# EAGLE board Mk4 Final Panel (EAGLE 9.0.1), part 4 of 18
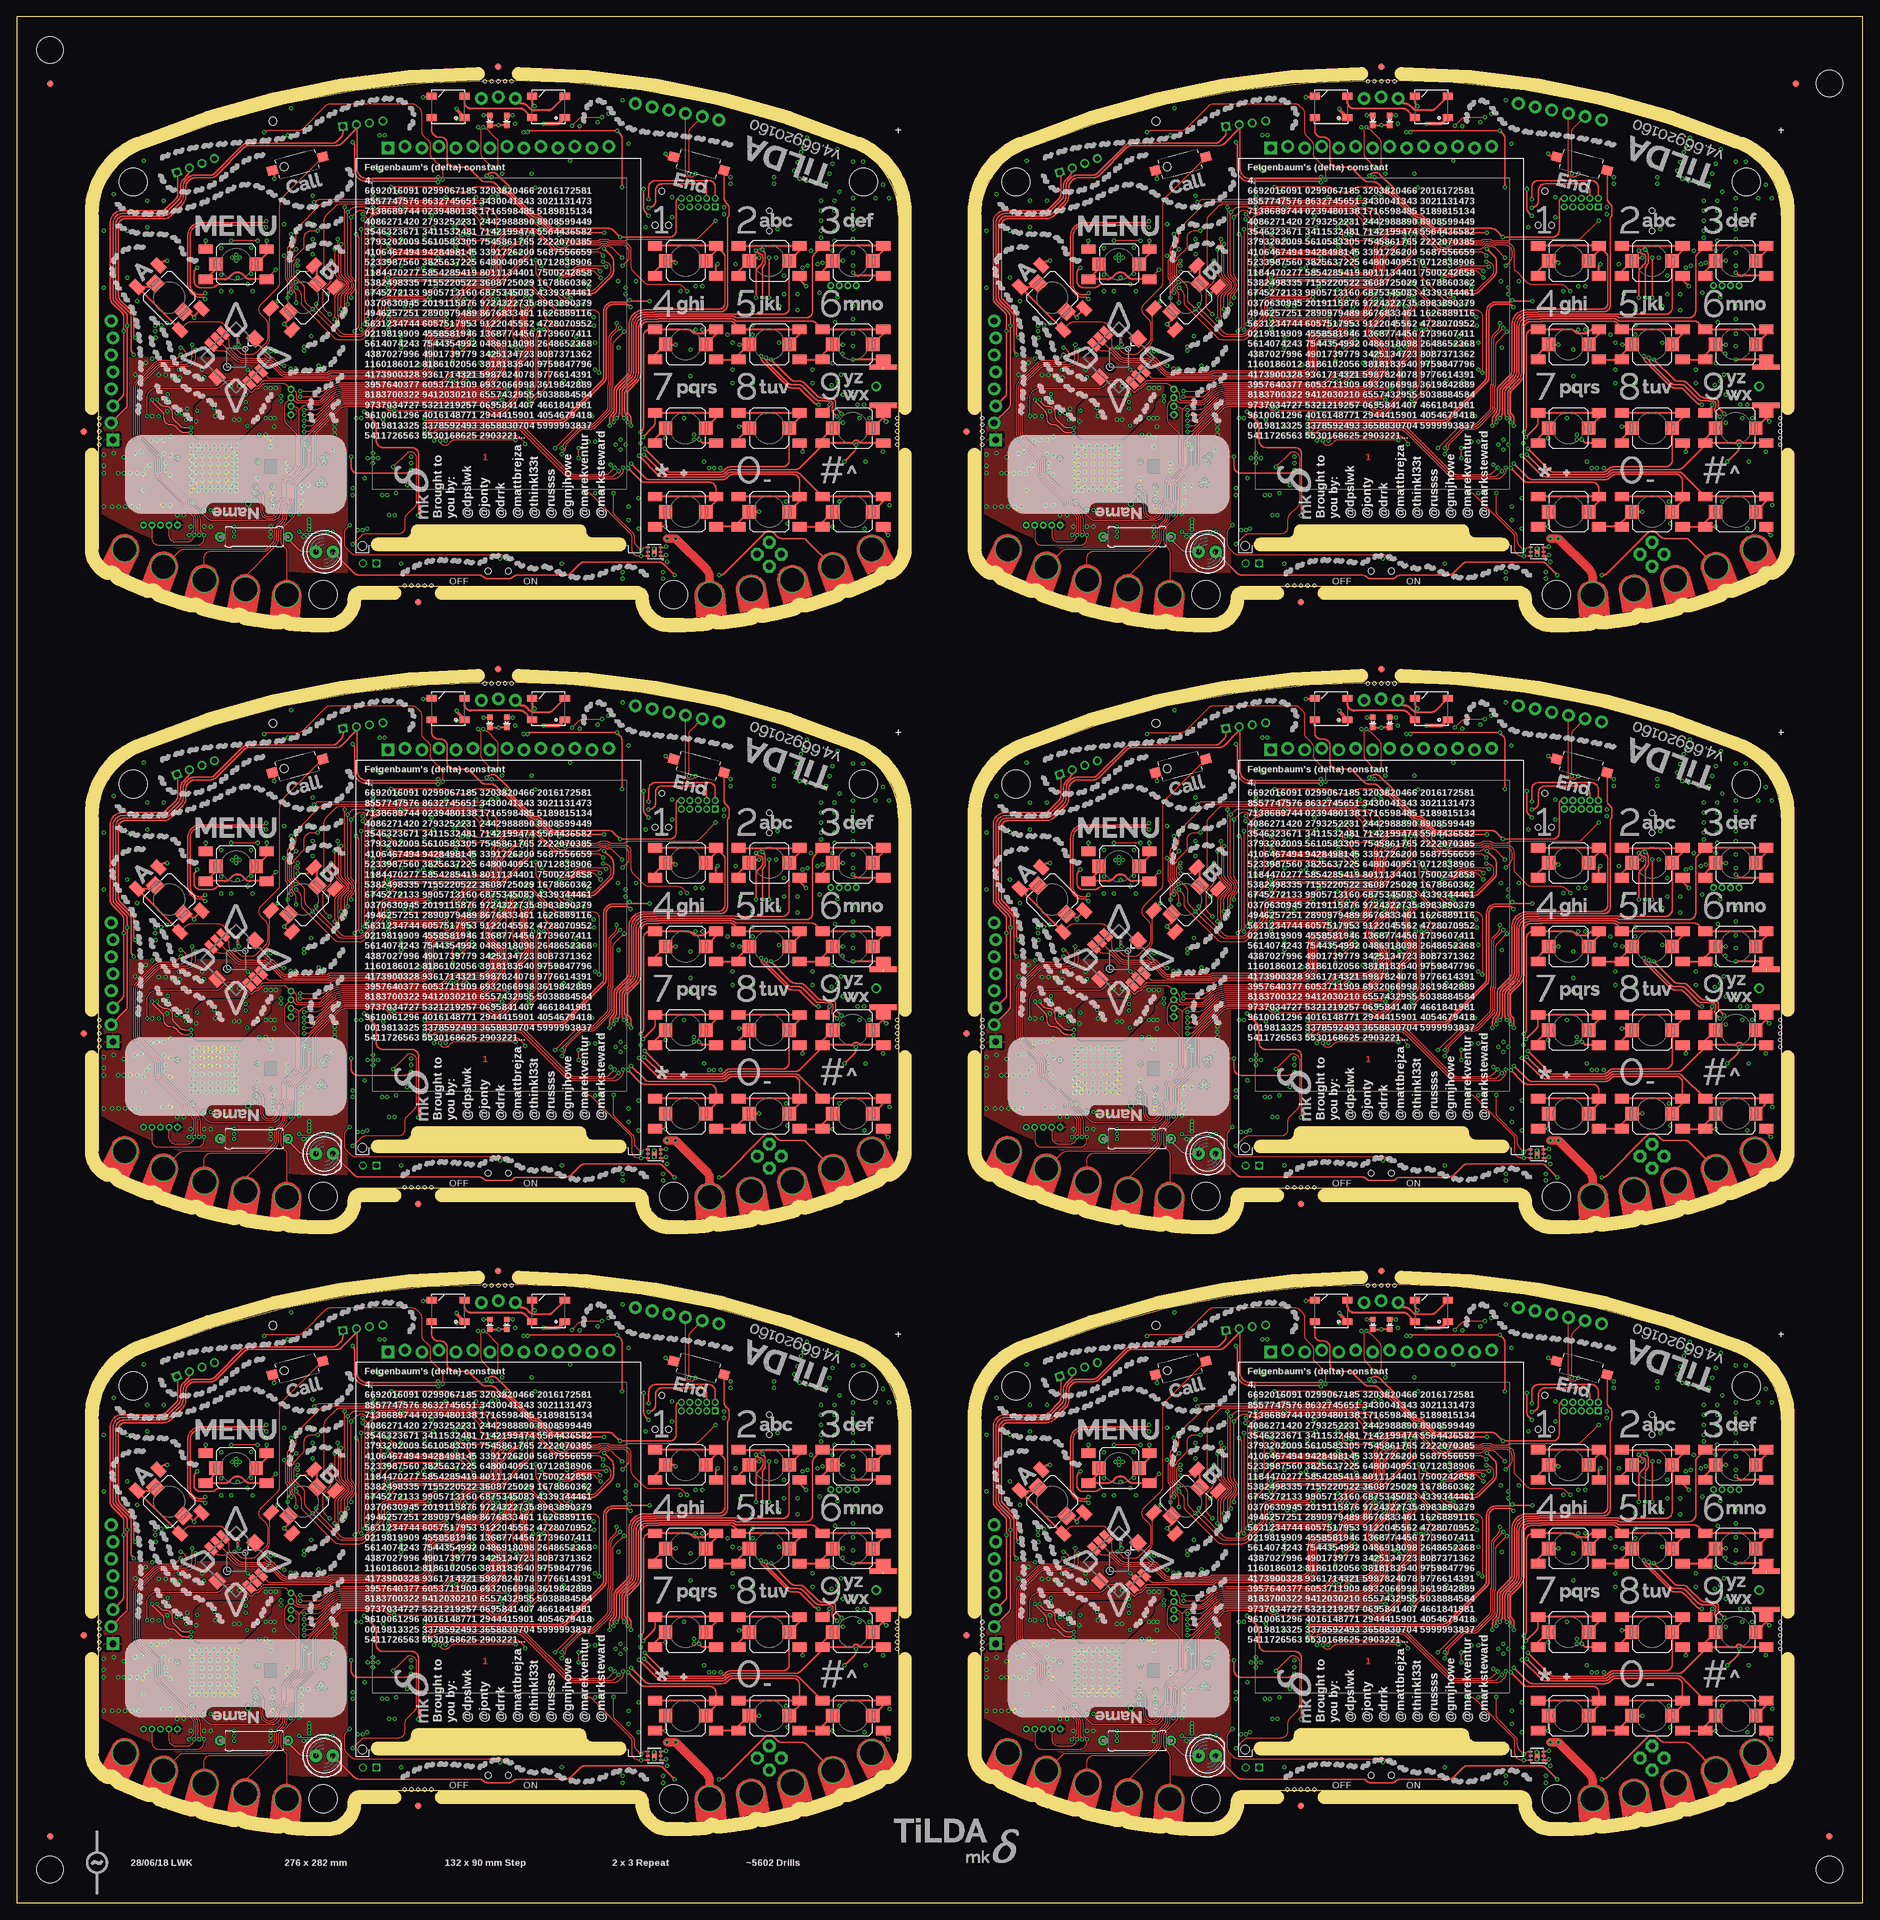
[diagram p0: board, top side]
## Nets (continued)
GND1: ANT3.2 ANT3.3 ANT3.4 ANT4.2 ANT4.3 ANT4.4 C109.1 C110.1 C111.2 C112.1 C113.1 C114.1 C115.1 C116.1 C117.1 C118.1 C119.1 C120.1 C121.1 C122.1 C123.1 C124.1 C125.1 C126.1 C127.1 C128.1 C129.1 C130.1 C131.1 C132.1 C133.1 C134.1 C135.1 C136.1 C137.1 C138.1 C139.- C140.1 C141.1 C142.- C143.2 C144.2 C145.2 C146.2 C147.2 C148.2 C149.1 C151.2 C152.2 C153.1 C154.1 C155.1 C156.1 C157.1 C158.1 C160.2 C161.2 C162.2 C164.2 C166.2 C167.2 C168.2 C170.2 C171.1 C172.1 C173.1 C174.1 C175.1 C176.1 C177.1 C178.1 C179.1 C185.2 C186.1 C187.1 C188.2 C189.2 C190.2 C191.2 C192.2 C193.2 C194.2 C195.2 C196.2 C197.2 C198.2 C199.2 C200.2 C201.2 C202.2 C203.2 C204.2 C205.2 C206.1 C207.1 C208.1 C209.1 C210.2 C212.2 C214.2 C215.2 C216.2 D3.A D4.2 FL2.GND@2 FL2.GND@4 IC19.6 IC19.12 IC19.28 IC19.41 IC19.46 IC19.52 IC19.54 IC20.10 IC20.17 IC20.48 IC20.55 IC20.58 IC20.80 IC20.114 IC21.8 IC21.13 IC21.19 IC21.21 IC21.27 IC21.30 IC21.31 IC21.33 IC21.36 IC21.37 IC22.4 IC23.3 IC24.17 IC24.18 IC24.25 IC25.3 IC26.4 IC27.7 IC28.7 IC28.PAD IC29.PAD IC30.4 IC31.9 IC31.18 IC31.23 IC31.24 IC31.25 IC32.2 IC32.4 IC33.3 IC33.5 IC34.2 IC34.3 IC34.PAD IC35.2 IC35.3 IC36.3 J6.6 J6.11 J6.12 J6.13 J6.14 J6.15 J6.16 J6.17 J6.18 J6.19 J6.20 J6.21 J6.22 J6.23 J6.24 J6.25 J6.26 J6.27 J6.28 J6.29 J6.30 J6.31 J6.32 J6.43 J6.48 J6.49 J6.50 J12.1 J13.3 J13.5 J13.9 J14.C4 J14.C5 J14.GND1 J14.GND2 J14.GND3 J14.GND4 J14.GND5 J14.GND6 J16.4 J16.8 J16.SS1 J16.SS2 J17.4 J18.4 J18.8 J18.SS1 J18.SS2 J19.G@1 J19.G@2 J19.G@3 J19.G@4 J20.1 JP10.5 JP11.1 JP12.1 JP12.2 JP12.4 JP13.1 JP14.1 JP15.1 JP16.1 JP17.1 JP18.1 LED7.3 LED8.3 LED9.C LED10.C PCB1.GND Q4.4 Q4.EP2 Q5.2 Q6.2 R87.2 R91.2 R97.1 R99.2 R101.2 R107.2 R112.2 R114.2 R121.2 R122.2 R129.2 R133.1 R137.2 R139.2 R140.2 R141.2 R142.2 R143.2 R148.2 R149.2 R150.2 R155.2 S21.1 S21.A1 S21.A2 S23.1 S23.A1 S23.A2 S24.1 S24.A1 S24.A2 S25.1 S25.A1 S25.A2 S26.1 S26.A1 S26.A2 S27.1 S27.A1 S27.A2 S28.1 S28.A1 S28.A2 S29.1 S29.A1 S29.A2 S30.1 S30.A1 S30.A2 S31.1 S31.A1 S31.A2 S32.1 S32.A1 S32.A2 S33.1 S33.A1 S33.A2 S34.1 S34.A1 S34.A2 S35.1 S35.A1 S35.A2 S36.1 S36.A1 S36.A2 S37.1 S38.1 S39.2 S40.1 S41.1 TP36.TP U2.GND X6.2 X6.4 X8.2 X8.4
GND2: ANT5.2 ANT5.3 ANT5.4 ANT6.2 ANT6.3 ANT6.4 C217.1 C218.1 C219.2 C220.1 C221.1 C222.1 C223.1 C224.1 C225.1 C226.1 C227.1 C228.1 C229.1 C230.1 C231.1 C232.1 C233.1 C234.1 C235.1 C236.1 C237.1 C238.1 C239.1 C240.1 C241.1 C242.1 C243.1 C244.1 C245.1 C246.1 C247.- C248.1 C249.1 C250.- C251.2 C252.2 C253.2 C254.2 C255.2 C256.2 C257.1 C259.2 C260.2 C261.1 C262.1 C263.1 C264.1 C265.1 C266.1 C268.2 C269.2 C270.2 C272.2 C274.2 C275.2 C276.2 C278.2 C279.1 C280.1 C281.1 C282.1 C283.1 C284.1 C285.1 C286.1 C287.1 C293.2 C294.1 C295.1 C296.2 C297.2 C298.2 C299.2 C300.2 C301.2 C302.2 C303.2 C304.2 C305.2 C306.2 C307.2 C308.2 C309.2 C310.2 C311.2 C312.2 C313.2 C314.1 C315.1 C316.1 C317.1 C318.2 C320.2 C322.2 C323.2 C324.2 D5.A D6.2 FL3.GND@2 FL3.GND@4 IC37.6 IC37.12 IC37.28 IC37.41 IC37.46 IC37.52 IC37.54 IC38.10 IC38.17 IC38.48 IC38.55 IC38.58 IC38.80 IC38.114 IC39.8 IC39.13 IC39.19 IC39.21 IC39.27 IC39.30 IC39.31 IC39.33 IC39.36 IC39.37 IC40.4 IC41.3 IC42.17 IC42.18 IC42.25 IC43.3 IC44.4 IC45.7 IC46.7 IC46.PAD IC47.PAD IC48.4 IC49.9 IC49.18 IC49.23 IC49.24 IC49.25 IC50.2 IC50.4 IC51.3 IC51.5 IC52.2 IC52.3 IC52.PAD IC53.2 IC53.3 IC54.3 J21.6 J21.11 J21.12 J21.13 J21.14 J21.15 J21.16 J21.17 J21.18 J21.19 J21.20 J21.21 J21.22 J21.23 J21.24 J21.25 J21.26 J21.27 J21.28 J21.29 J21.30 J21.31 J21.32 J21.43 J21.48 J21.49 J21.50 J22.1 J23.3 J23.5 J23.9 J24.C4 J24.C5 J24.GND1 J24.GND2 J24.GND3 J24.GND4 J24.GND5 J24.GND6 J26.4 J26.8 J26.SS1 J26.SS2 J27.4 J28.4 J28.8 J28.SS1 J28.SS2 J29.G@1 J29.G@2 J29.G@3 J29.G@4 J30.1 JP19.5 JP20.1 JP21.1 JP21.2 JP21.4 JP22.1 JP23.1 JP24.1 JP25.1 JP26.1 JP27.1 LED13.3 LED14.3 LED15.C LED16.C PCB2.GND Q9.4 Q9.EP2 Q10.2 Q11.2 R165.2 R169.2 R175.1 R177.2 R179.2 R185.2 R190.2 R192.2 R199.2 R200.2 R207.2 R211.1 R215.2 R217.2 R218.2 R219.2 R220.2 R221.2 R226.2 R227.2 R228.2 R233.2 S43.1 S43.A1 S43.A2 S44.1 S44.A1 S44.A2 S45.1 S45.A1 S45.A2 S46.1 S46.A1 S46.A2 S47.1 S47.A1 S47.A2 S48.1 S48.A1 S48.A2 S49.1 S49.A1 S49.A2 S50.1 S50.A1 S50.A2 S51.1 S51.A1 S51.A2 S52.1 S52.A1 S52.A2 S53.1 S53.A1 S53.A2 S54.1 S54.A1 S54.A2 S55.1 S55.A1 S55.A2 S56.1 S56.A1 S56.A2 S57.1 S57.A1 S57.A2 S58.1 S59.1 S60.2 S61.1 S62.1 TP55.TP U7.GND X10.2 X10.4 X12.2 X12.4
GND3: ANT7.2 ANT7.3 ANT7.4 ANT8.2 ANT8.3 ANT8.4 C325.1 C326.1 C327.2 C328.1 C329.1 C330.1 C331.1 C332.1 C333.1 C334.1 C335.1 C336.1 C337.1 C338.1 C339.1 C340.1 C341.1 C342.1 C343.1 C344.1 C345.1 C346.1 C347.1 C348.1 C349.1 C350.1 C351.1 C352.1 C353.1 C354.1 C355.- C356.1 C357.1 C358.- C359.2 C360.2 C361.2 C362.2 C363.2 C364.2 C365.1 C367.2 C368.2 C369.1 C370.1 C371.1 C372.1 C373.1 C374.1 C376.2 C377.2 C378.2 C380.2 C382.2 C383.2 C384.2 C386.2 C387.1 C388.1 C389.1 C390.1 C391.1 C392.1 C393.1 C394.1 C395.1 C401.2 C402.1 C403.1 C404.2 C405.2 C406.2 C407.2 C408.2 C409.2 C410.2 C411.2 C412.2 C413.2 C414.2 C415.2 C416.2 C417.2 C418.2 C419.2 C420.2 C421.2 C422.1 C423.1 C424.1 C425.1 C426.2 C428.2 C430.2 C431.2 C432.2 D7.A D8.2 FL4.GND@2 FL4.GND@4 IC55.6 IC55.12 IC55.28 IC55.41 IC55.46 IC55.52 IC55.54 IC56.10 IC56.17 IC56.48 IC56.55 IC56.58 IC56.80 IC56.114 IC57.8 IC57.13 IC57.19 IC57.21 IC57.27 IC57.30 IC57.31 IC57.33 IC57.36 IC57.37 IC58.4 IC59.3 IC60.17 IC60.18 IC60.25 IC61.3 IC62.4 IC63.7 IC64.7 IC64.PAD IC65.PAD IC66.4 IC67.9 IC67.18 IC67.23 IC67.24 IC67.25 IC68.2 IC68.4 IC69.3 IC69.5 IC70.2 IC70.3 IC70.PAD IC71.2 IC71.3 IC72.3 J31.6 J31.11 J31.12 J31.13 J31.14 J31.15 J31.16 J31.17 J31.18 J31.19 J31.20 J31.21 J31.22 J31.23 J31.24 J31.25 J31.26 J31.27 J31.28 J31.29 J31.30 J31.31 J31.32 J31.43 J31.48 J31.49 J31.50 J32.1 J33.3 J33.5 J33.9 J34.C4 J34.C5 J34.GND1 J34.GND2 J34.GND3 J34.GND4 J34.GND5 J34.GND6 J36.4 J36.8 J36.SS1 J36.SS2 J37.4 J38.4 J38.8 J38.SS1 J38.SS2 J39.G@1 J39.G@2 J39.G@3 J39.G@4 J40.1 JP28.5 JP29.1 JP30.1 JP30.2 JP30.4 JP31.1 JP32.1 JP33.1 JP34.1 JP35.1 JP36.1 LED19.3 LED20.3 LED21.C LED22.C PCB3.GND Q13.4 Q13.EP2 Q14.2 Q15.2 R243.2 R247.2 R253.1 R255.2 R257.2 R263.2 R268.2 R270.2 R277.2 R278.2 R285.2 R289.1 R293.2 R295.2 R296.2 R297.2 R298.2 R299.2 R304.2 R305.2 R306.2 R311.2 S64.1 S64.A1 S64.A2 S65.1 S65.A1 S65.A2 S66.1 S66.A1 S66.A2 S67.1 S67.A1 S67.A2 S68.1 S68.A1 S68.A2 S69.1 S69.A1 S69.A2 S70.1 S70.A1 S70.A2 S71.1 S71.A1 S71.A2 S72.1 S72.A1 S72.A2 S73.1 S73.A1 S73.A2 S74.1 S74.A1 S74.A2 S75.1 S75.A1 S75.A2 S76.1 S76.A1 S76.A2 S77.1 S77.A1 S77.A2 S78.1 S78.A1 S78.A2 S79.1 S80.1 S81.2 S82.1 S83.1 TP74.TP U10.GND X14.2 X14.4 X16.2 X16.4
GND4: ANT9.2 ANT9.3 ANT9.4 ANT10.2 ANT10.3 ANT10.4 C433.1 C434.1 C435.2 C436.1 C437.1 C438.1 C439.1 C440.1 C441.1 C442.1 C443.1 C444.1 C445.1 C446.1 C447.1 C448.1 C449.1 C450.1 C451.1 C452.1 C453.1 C454.1 C455.1 C456.1 C457.1 C458.1 C459.1 C460.1 C461.1 C462.1 C463.- C464.1 C465.1 C466.- C467.2 C468.2 C469.2 C470.2 C471.2 C472.2 C473.1 C475.2 C476.2 C477.1 C478.1 C479.1 C480.1 C481.1 C482.1 C484.2 C485.2 C486.2 C488.2 C490.2 C491.2 C492.2 C494.2 C495.1 C496.1 C497.1 C498.1 C499.1 C500.1 C501.1 C502.1 C503.1 C509.2 C510.1 C511.1 C512.2 C513.2 C514.2 C515.2 C516.2 C517.2 C518.2 C519.2 C520.2 C521.2 C522.2 C523.2 C524.2 C525.2 C526.2 C527.2 C528.2 C529.2 C530.1 C531.1 C532.1 C533.1 C534.2 C536.2 C538.2 C539.2 C540.2 D9.A D10.2 FL5.GND@2 FL5.GND@4 IC73.6 IC73.12 IC73.28 IC73.41 IC73.46 IC73.52 IC73.54 IC74.10 IC74.17 IC74.48 IC74.55 IC74.58 IC74.80 IC74.114 IC75.8 IC75.13 IC75.19 IC75.21 IC75.27 IC75.30 IC75.31 IC75.33 IC75.36 IC75.37 IC76.4 IC77.3 IC78.17 IC78.18 IC78.25 IC79.3 IC80.4 IC81.7 IC82.7 IC82.PAD IC83.PAD IC84.4 IC85.9 IC85.18 IC85.23 IC85.24 IC85.25 IC86.2 IC86.4 IC87.3 IC87.5 IC88.2 IC88.3 IC88.PAD IC89.2 IC89.3 IC90.3 J41.6 J41.11 J41.12 J41.13 J41.14 J41.15 J41.16 J41.17 J41.18 J41.19 J41.20 J41.21 J41.22 J41.23 J41.24 J41.25 J41.26 J41.27 J41.28 J41.29 J41.30 J41.31 J41.32 J41.43 J41.48 J41.49 J41.50 J42.1 J43.3 J43.5 J43.9 J44.C4 J44.C5 J44.GND1 J44.GND2 J44.GND3 J44.GND4 J44.GND5 J44.GND6 J46.4 J46.8 J46.SS1 J46.SS2 J47.4 J48.4 J48.8 J48.SS1 J48.SS2 J49.G@1 J49.G@2 J49.G@3 J49.G@4 J50.1 JP37.5 JP38.1 JP39.1 JP39.2 JP39.4 JP40.1 JP41.1 JP42.1 JP43.1 JP44.1 JP45.1 LED25.3 LED26.3 LED27.C LED28.C PCB4.GND Q17.4 Q17.EP2 Q18.2 Q19.2 R321.2 R325.2 R331.1 R333.2 R335.2 R341.2 R346.2 R348.2 R355.2 R356.2 R363.2 R367.1 R371.2 R373.2 R374.2 R375.2 R376.2 R377.2 R382.2 R383.2 R384.2 R389.2 S85.1 S85.A1 S85.A2 S86.1 S86.A1 S86.A2 S87.1 S87.A1 S87.A2 S88.1 S88.A1 S88.A2 S89.1 S89.A1 S89.A2 S90.1 S90.A1 S90.A2 S91.1 S91.A1 S91.A2 S92.1 S92.A1 S92.A2 S93.1 S93.A1 S93.A2 S94.1 S94.A1 S94.A2 S95.1 S95.A1 S95.A2 S96.1 S96.A1 S96.A2 S97.1 S97.A1 S97.A2 S98.1 S98.A1 S98.A2 S99.1 S99.A1 S99.A2 S100.1 S101.1 S102.2 S103.1 S104.1 TP93.TP U13.GND X18.2 X18.4 X20.2 X20.4
GND5: ANT11.2 ANT11.3 ANT11.4 ANT12.2 ANT12.3 ANT12.4 C541.1 C542.1 C543.2 C544.1 C545.1 C546.1 C547.1 C548.1 C549.1 C550.1 C551.1 C552.1 C553.1 C554.1 C555.1 C556.1 C557.1 C558.1 C559.1 C560.1 C561.1 C562.1 C563.1 C564.1 C565.1 C566.1 C567.1 C568.1 C569.1 C570.1 C571.- C572.1 C573.1 C574.- C575.2 C576.2 C577.2 C578.2 C579.2 C580.2 C581.1 C583.2 C584.2 C585.1 C586.1 C587.1 C588.1 C589.1 C590.1 C592.2 C593.2 C594.2 C596.2 C598.2 C599.2 C600.2 C602.2 C603.1 C604.1 C605.1 C606.1 C607.1 C608.1 C609.1 C610.1 C611.1 C617.2 C618.1 C619.1 C620.2 C621.2 C622.2 C623.2 C624.2 C625.2 C626.2 C627.2 C628.2 C629.2 C630.2 C631.2 C632.2 C633.2 C634.2 C635.2 C636.2 C637.2 C638.1 C639.1 C640.1 C641.1 C642.2 C644.2 C646.2 C647.2 C648.2 D11.A D12.2 FL6.GND@2 FL6.GND@4 IC91.6 IC91.12 IC91.28 IC91.41 IC91.46 IC91.52 IC91.54 IC92.10 IC92.17 IC92.48 IC92.55 IC92.58 IC92.80 IC92.114 IC93.8 IC93.13 IC93.19 IC93.21 IC93.27 IC93.30 IC93.31 IC93.33 IC93.36 IC93.37 IC94.4 IC95.3 IC96.17 IC96.18 IC96.25 IC97.3 IC98.4 IC99.7 IC100.7 IC100.PAD IC101.PAD IC102.4 IC103.9 IC103.18 IC103.23 IC103.24 IC103.25 IC104.2 IC104.4 IC105.3 IC105.5 IC106.2 IC106.3 IC106.PAD IC107.2 IC107.3 IC108.3 J51.6 J51.11 J51.12 J51.13 J51.14 J51.15 J51.16 J51.17 J51.18 J51.19 J51.20 J51.21 J51.22 J51.23 J51.24 J51.25 J51.26 J51.27 J51.28 J51.29 J51.30 J51.31 J51.32 J51.43 J51.48 J51.49 J51.50 J52.1 J53.3 J53.5 J53.9 J54.C4 J54.C5 J54.GND1 J54.GND2 J54.GND3 J54.GND4 J54.GND5 J54.GND6 J56.4 J56.8 J56.SS1 J56.SS2 J57.4 J58.4 J58.8 J58.SS1 J58.SS2 J59.G@1 J59.G@2 J59.G@3 J59.G@4 J60.1 JP46.5 JP47.1 JP48.1 JP48.2 JP48.4 JP49.1 JP50.1 JP51.1 JP52.1 JP53.1 JP54.1 LED31.3 LED32.3 LED33.C LED34.C PCB5.GND Q21.4 Q21.EP2 Q22.2 Q23.2 R399.2 R403.2 R409.1 R411.2 R413.2 R419.2 R424.2 R426.2 R433.2 R434.2 R441.2 R445.1 R449.2 R451.2 R452.2 R453.2 R454.2 R455.2 R460.2 R461.2 R462.2 R467.2 S106.1 S106.A1 S106.A2 S107.1 S107.A1 S107.A2 S108.1 S108.A1 S108.A2 S109.1 S109.A1 S109.A2 S110.1 S110.A1 S110.A2 S111.1 S111.A1 S111.A2 S112.1 S112.A1 S112.A2 S113.1 S113.A1 S113.A2 S114.1 S114.A1 S114.A2 S115.1 S115.A1 S115.A2 S116.1 S116.A1 S116.A2 S117.1 S117.A1 S117.A2 S118.1 S118.A1 S118.A2 S119.1 S119.A1 S119.A2 S120.1 S120.A1 S120.A2 S121.1 S122.1 S123.2 S124.1 S125.1 TP112.TP U16.GND X22.2 X22.4 X24.2 X24.4
GSM_ANT [50R Single]: C72.2 IC5.32 L3.1
GSM_ANT1 [50R Single]: C173.2 IC21.32 L13.1
GSM_ANT2 [50R Single]: C281.2 IC39.32 L22.1
GSM_ANT3 [50R Single]: C389.2 IC57.32 L31.1
GSM_ANT4 [50R Single]: C497.2 IC75.32 L40.1
GSM_ANT5 [50R Single]: C605.2 IC93.32 L49.1
HDC_INT: IC1.95 IC3.4
HDC_INT1: IC20.95 IC35.4
HDC_INT2: IC38.95 IC53.4
HDC_INT3: IC56.95 IC71.4
HDC_INT4: IC74.95 IC89.4
HDC_INT5: IC92.95 IC107.4
HEADSET_DET: IC1.98 J9.7
HEADSET_DET1: IC20.98 J17.7
HEADSET_DET2: IC38.98 J27.7
HEADSET_DET3: IC56.98 J37.7
HEADSET_DET4: IC74.98 J47.7
HEADSET_DET5: IC92.98 J57.7
I2C4_SCL: IC1.61 IC3.6 IC4.19 IC8.5 IC16.1 IC17.4 R22.1
I2C4_SCL1: IC20.61 IC24.5 IC31.19 IC32.1 IC34.4 IC35.6 R104.1
I2C4_SCL2: IC38.61 IC42.5 IC49.19 IC50.1 IC52.4 IC53.6 R182.1
I2C4_SCL3: IC56.61 IC60.5 IC67.19 IC68.1 IC70.4 IC71.6 R260.1
I2C4_SCL4: IC74.61 IC78.5 IC85.19 IC86.1 IC88.4 IC89.6 R338.1
I2C4_SCL5: IC92.61 IC96.5 IC103.19 IC104.1 IC106.4 IC107.6 R416.1
I2C4_SDA: IC1.60 IC3.1 IC4.20 IC8.6 IC16.6 IC17.6 R21.1
I2C4_SDA1: IC20.60 IC24.6 IC31.20 IC32.6 IC34.6 IC35.1 R103.1
I2C4_SDA2: IC38.60 IC42.6 IC49.20 IC50.6 IC52.6 IC53.1 R181.1
I2C4_SDA3: IC56.60 IC60.6 IC67.20 IC68.6 IC70.6 IC71.1 R259.1
I2C4_SDA4: IC74.60 IC78.6 IC85.20 IC86.6 IC88.6 IC89.1 R337.1
I2C4_SDA5: IC92.60 IC96.6 IC103.20 IC104.6 IC106.6 IC107.1 R415.1
I2C5_EXT_SCL: IC1.121 J8.1 J8.5 J11.3 JP6.6 PCB.SCL R24.1
I2C5_EXT_SCL1: IC20.121 J18.1 J18.5 J20.3 JP17.6 PCB1.SCL R106.1
I2C5_EXT_SCL2: IC38.121 J28.1 J28.5 J30.3 JP26.6 PCB2.SCL R184.1
I2C5_EXT_SCL3: IC56.121 J38.1 J38.5 J40.3 JP35.6 PCB3.SCL R262.1
I2C5_EXT_SCL4: IC74.121 J48.1 J48.5 J50.3 JP44.6 PCB4.SCL R340.1
I2C5_EXT_SCL5: IC92.121 J58.1 J58.5 J60.3 JP53.6 PCB5.SCL R418.1
I2C5_EXT_SDA: IC1.120 J8.2 J8.6 J11.4 JP6.7 PCB.SDA R23.1
I2C5_EXT_SDA1: IC20.120 J18.2 J18.6 J20.4 JP17.7 PCB1.SDA R105.1
I2C5_EXT_SDA2: IC38.120 J28.2 J28.6 J30.4 JP26.7 PCB2.SDA R183.1
I2C5_EXT_SDA3: IC56.120 J38.2 J38.6 J40.4 JP35.7 PCB3.SDA R261.1
I2C5_EXT_SDA4: IC74.120 J48.2 J48.6 J50.4 JP44.7 PCB4.SDA R339.1
I2C5_EXT_SDA5: IC92.120 J58.2 J58.6 J60.4 JP53.7 PCB5.SDA R417.1
JOY_CEN: IC1.72 SW1.CTR
JOY_CEN1: IC20.72 SW2.CTR
JOY_CEN2: IC38.72 SW3.CTR
JOY_CEN3: IC56.72 SW4.CTR
JOY_CEN4: IC74.72 SW5.CTR
JOY_CEN5: IC92.72 SW6.CTR
JOY_DOWN: IC1.74 SW1.D
JOY_DOWN1: IC20.74 SW2.D
JOY_DOWN2: IC38.74 SW3.D
JOY_DOWN3: IC56.74 SW4.D
JOY_DOWN4: IC74.74 SW5.D
JOY_DOWN5: IC92.74 SW6.D
JOY_LEFT: IC1.73 SW1.C
JOY_LEFT1: IC20.73 SW2.C
JOY_LEFT2: IC38.73 SW3.C
JOY_LEFT3: IC56.73 SW4.C
JOY_LEFT4: IC74.73 SW5.C
JOY_LEFT5: IC92.73 SW6.C
JOY_RIGHT: IC1.91 SW1.B
JOY_RIGHT1: IC20.91 SW2.B
JOY_RIGHT2: IC38.91 SW3.B
JOY_RIGHT3: IC56.91 SW4.B
JOY_RIGHT4: IC74.91 SW5.B
JOY_RIGHT5: IC92.91 SW6.B
JOY_UP: IC1.71 SW1.A
JOY_UP1: IC20.71 SW2.A
JOY_UP2: IC38.71 SW3.A
JOY_UP3: IC56.71 SW4.A
JOY_UP4: IC74.71 SW5.A
JOY_UP5: IC92.71 SW6.A
LCD_!RST: IC1.111 J2.10
LCD_!RST1: IC20.111 J6.10
LCD_!RST2: IC38.111 J21.10
LCD_!RST3: IC56.111 J31.10
LCD_!RST4: IC74.111 J41.10
LCD_!RST5: IC92.111 J51.10
LCD_DCX: IC1.20 J2.36
LCD_DCX1: IC20.20 J6.36
LCD_DCX2: IC38.20 J21.36
LCD_DCX3: IC56.20 J31.36
LCD_DCX4: IC74.20 J41.36
LCD_DCX5: IC92.20 J51.36
LCD_TEAR: IC1.21 J2.39
LCD_TEAR1: IC20.21 J6.39
LCD_TEAR2: IC38.21 J21.39
LCD_TEAR3: IC56.21 J31.39
LCD_TEAR4: IC74.21 J41.39
LCD_TEAR5: IC92.21 J51.39
LED1: IC1.86 R12.2
LED1_R: LED3.A R12.1
LED1_R1: LED9.A R83.1
LED1_R2: LED15.A R161.1
LED1_R3: LED21.A R239.1
LED1_R4: LED27.A R317.1
LED1_R5: LED33.A R395.1
LED2: IC1.85 R14.2
LED2_R: LED4.A R14.1
LED2_R1: LED10.A R84.1
LED2_R2: LED16.A R162.1
LED2_R3: LED22.A R240.1
LED2_R4: LED28.A R318.1
LED2_R5: LED34.A R396.1
LED3: IC20.86 R83.2
LED4: IC20.85 R84.2
LED5: IC38.86 R161.2
LED5_R: LED5.A R11.1
LED5_R1: LED11.A R95.1
LED5_R2: LED17.A R173.1
LED5_R3: LED23.A R251.1
LED5_R4: LED29.A R329.1
LED5_R5: LED35.A R407.1
LED6: IC38.85 R162.2
LED7: IC56.86 R239.2
LED8: IC56.85 R240.2
LED9: IC74.86 R317.2
LED10: IC74.85 R318.2
LED11: IC92.86 R395.2
LED12: IC92.85 R396.2
LEDK: Q8.1 Q8.2 Q8.5 Q8.6 Q8.EP1 R44.1 R47.1 R48.1 R49.1
LEDK1: J2.2 R47.2
LEDK2: J2.3 R48.2
LEDK3: J2.4 R49.2
LEDK4: J2.5 R44.2
LEDK5: J6.2 R79.2
LEDK6: J6.3 R80.2
LEDK7: J6.4 R81.2
LEDK8: J6.5 R82.2
LEDK9: Q4.1 Q4.2 Q4.5 Q4.6 Q4.EP1 R79.1 R80.1 R81.1 R82.1
LEDK10: J21.2 R157.2
LEDK11: J21.3 R158.2
LEDK12: J21.4 R159.2
LEDK13: J21.5 R160.2
LEDK14: Q9.1 Q9.2 Q9.5 Q9.6 Q9.EP1 R157.1 R158.1 R159.1 R160.1
LEDK15: J31.2 R235.2
LEDK16: J31.3 R236.2
LEDK17: J31.4 R237.2
LEDK18: J31.5 R238.2
LEDK19: Q13.1 Q13.2 Q13.5 Q13.6 Q13.EP1 R235.1 R236.1 R237.1 R238.1
LEDK20: J41.2 R313.2
LEDK21: J41.3 R314.2
LEDK22: J41.4 R315.2
LEDK23: J41.5 R316.2
LEDK24: Q17.1 Q17.2 Q17.5 Q17.6 Q17.EP1 R313.1 R314.1 R315.1 R316.1
LEDK25: J51.2 R391.2
LEDK26: J51.3 R392.2
LEDK27: J51.4 R393.2
LEDK28: J51.5 R394.2
LEDK29: Q21.1 Q21.2 Q21.5 Q21.6 Q21.EP1 R391.1 R392.1 R393.1 R394.1
MIC_MUX_N [Audio]: IC5.10 IC12.9 IC12.11
MIC_MUX_N1 [Audio]: IC21.10 IC27.9 IC27.11
MIC_MUX_N2 [Audio]: IC39.10 IC45.9 IC45.11
MIC_MUX_N3 [Audio]: IC57.10 IC63.9 IC63.11
MIC_MUX_N4 [Audio]: IC75.10 IC81.9 IC81.11
MIC_MUX_N5 [Audio]: IC93.10 IC99.9 IC99.11
MIC_MUX_P [Audio]: IC5.9 IC12.1 IC12.3
MIC_MUX_P1 [Audio]: IC21.9 IC27.1 IC27.3
MIC_MUX_P2 [Audio]: IC39.9 IC45.1 IC45.3
MIC_MUX_P3 [Audio]: IC57.9 IC63.1 IC63.3
MIC_MUX_P4 [Audio]: IC75.9 IC81.1 IC81.3
MIC_MUX_P5 [Audio]: IC93.9 IC99.1 IC99.3
MIC_N [Audio]: C52.2 C53.1 C55.1 C56.2 S22.6 U4.-
MIC_N1 [Audio]: C159.2 C160.1 C162.1 C163.2 S42.6 U3.-
MIC_N2 [Audio]: C267.2 C268.1 C270.1 C271.2 S63.6 U8.-
MIC_N3 [Audio]: C375.2 C376.1 C378.1 C379.2 S84.6 U11.-
MIC_N4 [Audio]: C483.2 C484.1 C486.1 C487.2 S105.6 U14.-
MIC_N5 [Audio]: C591.2 C592.1 C594.1 C595.2 S126.6 U17.-
MIC_P [Audio]: C52.1 C54.1 C56.1 C57.1 S22.3 U4.+
MIC_P1 [Audio]: C159.1 C161.1 C163.1 C164.1 S42.3 U3.+
MIC_P2 [Audio]: C267.1 C269.1 C271.1 C272.1 S63.3 U8.+
MIC_P3 [Audio]: C375.1 C377.1 C379.1 C380.1 S84.3 U11.+
MIC_P4 [Audio]: C483.1 C485.1 C487.1 C488.1 S105.3 U14.+
MIC_P5 [Audio]: C591.1 C593.1 C595.1 C596.1 S126.3 U17.+
MIC_PWM_AMP: C79.1 C80.2 C81.2 IC11.1 IC11.2
MIC_PWM_AMP1: C180.1 C181.2 C182.2 IC26.1 IC26.2
MIC_PWM_AMP2: C288.1 C289.2 C290.2 IC44.1 IC44.2
MIC_PWM_AMP3: C396.1 C397.2 C398.2 IC62.1 IC62.2
MIC_PWM_AMP4: C504.1 C505.2 C506.2 IC80.1 IC80.2
MIC_PWM_AMP5: C612.1 C613.2 C614.2 IC98.1 IC98.2
MIC_PWM_AMP_+: C78.2 IC11.3 R52.2
MIC_PWM_AMP_+1: C179.2 IC26.3 R130.2
MIC_PWM_AMP_+2: C287.2 IC44.3 R208.2
MIC_PWM_AMP_+3: C395.2 IC62.3 R286.2
MIC_PWM_AMP_+4: C503.2 IC80.3 R364.2
MIC_PWM_AMP_+5: C611.2 IC98.3 R442.2
MIC_PWM_N [Audio]: C80.1 IC12.8 R54.1
MIC_PWM_N1 [Audio]: C181.1 IC27.8 R132.1
MIC_PWM_N2 [Audio]: C289.1 IC45.8 R210.1
MIC_PWM_N3 [Audio]: C397.1 IC63.8 R288.1
MIC_PWM_N4 [Audio]: C505.1 IC81.8 R366.1
MIC_PWM_N5 [Audio]: C613.1 IC99.8 R444.1
MIC_PWM_P [Audio]: C81.1 IC12.4 R54.2
MIC_PWM_P1 [Audio]: C182.1 IC27.4 R132.2
MIC_PWM_P2 [Audio]: C290.1 IC45.4 R210.2
MIC_PWM_P3 [Audio]: C398.1 IC63.4 R288.2
MIC_PWM_P4 [Audio]: C506.1 IC81.4 R366.2
MIC_PWM_P5 [Audio]: C614.1 IC99.4 R444.2
MIC_PWM_R: C79.2 R52.1 R53.1
MIC_PWM_R1: C180.2 R130.1 R131.1
MIC_PWM_R2: C288.2 R208.1 R209.1
MIC_PWM_R3: C396.2 R286.1 R287.1
MIC_PWM_R4: C504.2 R364.1 R365.1
MIC_PWM_R5: C612.2 R442.1 R443.1
MIC_SWITCHED_N [Audio]: IC12.10 S22.5
MIC_SWITCHED_N1 [Audio]: IC27.10 S42.5
MIC_SWITCHED_N2 [Audio]: IC45.10 S63.5
MIC_SWITCHED_N3 [Audio]: IC63.10 S84.5
MIC_SWITCHED_N4 [Audio]: IC81.10 S105.5
MIC_SWITCHED_N5 [Audio]: IC99.10 S126.5
MIC_SWITCHED_P [Audio]: IC12.2 J9.1 S22.2
MIC_SWITCHED_P1 [Audio]: IC27.2 J17.1 S42.2
MIC_SWITCHED_P2 [Audio]: IC45.2 J27.1 S63.2
MIC_SWITCHED_P3 [Audio]: IC63.2 J37.1 S84.2
MIC_SWITCHED_P4 [Audio]: IC81.2 J47.1 S105.2
MIC_SWITCHED_P5 [Audio]: IC99.2 J57.1 S126.2
MUX_A: IC1.105 IC12.12 IC12.13 R56.1
MUX_A1: IC20.105 IC27.12 IC27.13 R134.1
MUX_A2: IC38.105 IC45.12 IC45.13 R212.1
MUX_A3: IC56.105 IC63.12 IC63.13 R290.1
MUX_A4: IC74.105 IC81.12 IC81.13 R368.1
MUX_A5: IC92.105 IC99.12 IC99.13 R446.1
MUX_B: IC1.106 IC12.5 IC12.6 R55.2
MUX_B1: IC20.106 IC27.5 IC27.6 R133.2
MUX_B2: IC38.106 IC45.5 IC45.6 R211.2
MUX_B3: IC56.106 IC63.5 IC63.6 R289.2
MUX_B4: IC74.106 IC81.5 IC81.6 R367.2
MUX_B5: IC92.106 IC99.5 IC99.6 R445.2
NETLIGHT_R: IC5.41 R42.2
NETLIGHT_R1: IC21.41 R124.2
NETLIGHT_R2: IC39.41 R202.2
NETLIGHT_R3: IC57.41 R280.2
NETLIGHT_R4: IC75.41 R358.2
NETLIGHT_R5: IC93.41 R436.2
NRST: JP4.3
NRST1: JP10.3
NRST2: JP19.3
NRST3: JP28.3
NRST4: JP37.3
NRST5: JP46.3
OSC0: C16.2 IC1.88 X2.1
OSC1: IC1.89 R6.1
OSC1_R: C17.2 R6.2 X2.3
OSC1_R1: C127.2 R90.2 X6.3
OSC1_R2: C235.2 R168.2 X10.3
OSC1_R3: C343.2 R246.2 X14.3
OSC1_R4: C451.2 R324.2 X18.3
OSC1_R5: C559.2 R402.2 X22.3
OSC2: C126.2 IC20.88 X6.1
OSC3: IC20.89 R90.1
OSC4: C234.2 IC38.88 X10.1
OSC5: IC38.89 R168.1
OSC6: C342.2 IC56.88 X14.1
OSC7: IC56.89 R246.1
OSC8: C450.2 IC74.88 X18.1
OSC9: IC74.89 R324.1
OSC10: C558.2 IC92.88 X22.1
OSC11: IC92.89 R402.1
POWER_SWITCH: Q3.4 R13.1 S18.3
POWER_SWITCH1: Q7.4 R96.1 S39.3
POWER_SWITCH2: Q12.4 R174.1 S60.3
POWER_SWITCH3: Q16.4 R252.1 S81.3
POWER_SWITCH4: Q20.4 R330.1 S102.3
POWER_SWITCH5: Q24.4 R408.1 S123.3
PWM2_SPK_PWM: C105.2 IC1.44
PWM2_SPK_PWM1: C213.2 IC20.44
PWM2_SPK_PWM2: C321.2 IC38.44
PWM2_SPK_PWM3: C429.2 IC56.44
PWM2_SPK_PWM4: C537.2 IC74.44
PWM2_SPK_PWM5: C645.2 IC92.44
PWM3_MIC_PWM: IC1.45 R53.2
PWM3_MIC_PWM1: IC20.45 R131.2
PWM3_MIC_PWM2: IC38.45 R209.2
PWM3_MIC_PWM3: IC56.45 R287.2
PWM3_MIC_PWM4: IC74.45 R365.2
PWM3_MIC_PWM5: IC92.45 R443.2
PWM6_LCD_BLIGHT: IC1.63 Q8.3
PWM6_LCD_BLIGHT1: IC20.63 Q4.3
PWM6_LCD_BLIGHT2: IC38.63 Q9.3
PWM6_LCD_BLIGHT3: IC56.63 Q13.3
PWM6_LCD_BLIGHT4: IC74.63 Q17.3
PWM6_LCD_BLIGHT5: IC92.63 Q21.3
PWR_KEY_FET: IC5.39 Q1.3
PWR_KEY_FET1: IC21.39 Q6.3
PWR_KEY_FET2: IC39.39 Q11.3
PWR_KEY_FET3: IC57.39 Q15.3
PWR_KEY_FET4: IC75.39 Q19.3
PWR_KEY_FET5: IC93.39 Q23.3
RBIAS+: IC1.59 R3.1
RBIAS+1: IC20.59 R87.1
RBIAS+2: IC38.59 R165.1
RBIAS+3: IC56.59 R243.1
RBIAS+4: IC74.59 R321.1
RBIAS+5: IC92.59 R399.1
SDRAM_!CAS: IC1.83 IC2.17
SDRAM_!CAS1: IC19.17 IC20.83
SDRAM_!CAS2: IC37.17 IC38.83
SDRAM_!CAS3: IC55.17 IC56.83
SDRAM_!CAS4: IC73.17 IC74.83
SDRAM_!CAS5: IC91.17 IC92.83
SDRAM_!CS: IC1.103 IC2.19
SDRAM_!CS1: IC19.19 IC20.103
SDRAM_!CS2: IC37.19 IC38.103
SDRAM_!CS3: IC55.19 IC56.103
SDRAM_!CS4: IC73.19 IC74.103
SDRAM_!CS5: IC91.19 IC92.103
SDRAM_!RAS: IC1.84 IC2.18
SDRAM_!RAS1: IC19.18 IC20.84
SDRAM_!RAS2: IC37.18 IC38.84
SDRAM_!RAS3: IC55.18 IC56.84
SDRAM_!RAS4: IC73.18 IC74.84
SDRAM_!RAS5: IC91.18 IC92.84
SDRAM_!WE: IC1.92 IC2.16
SDRAM_!WE1: IC19.16 IC20.92
SDRAM_!WE2: IC37.16 IC38.92
SDRAM_!WE3: IC55.16 IC56.92
SDRAM_!WE4: IC73.16 IC74.92
SDRAM_!WE5: IC91.16 IC92.92
SDRAM_A0: IC1.29 IC2.2 IC2.23
SDRAM_A1: IC1.30 IC2.4 IC2.24
SDRAM_A2: IC1.31 IC2.5 IC2.25
SDRAM_A3: IC1.32 IC2.7 IC2.26
SDRAM_A4: IC1.22 IC2.8 IC2.29
SDRAM_A5: IC1.23 IC2.10 IC2.30
SDRAM_A6: IC1.24 IC2.11 IC2.31
SDRAM_A7: IC1.25 IC2.13 IC2.32
SDRAM_A8: IC1.40 IC2.33 IC2.42
SDRAM_A9: IC1.41 IC2.34 IC2.44
SDRAM_A10: IC1.50 IC2.22 IC2.45
SDRAM_A11: IC1.49 IC2.35 IC2.47
SDRAM_A12: IC1.75 IC2.36 IC2.48
SDRAM_A13: IC19.2 IC19.23 IC20.29
SDRAM_A14: IC19.4 IC19.24 IC20.30
SDRAM_A15: IC19.5 IC19.25 IC20.31
SDRAM_A16: IC19.7 IC19.26 IC20.32
SDRAM_A17: IC19.8 IC19.29 IC20.22
SDRAM_A18: IC19.10 IC19.30 IC20.23
SDRAM_A19: IC19.11 IC19.31 IC20.24
SDRAM_A20: IC19.13 IC19.32 IC20.25
SDRAM_A21: IC19.33 IC19.42 IC20.40
SDRAM_A22: IC19.34 IC19.44 IC20.41
SDRAM_A23: IC19.22 IC19.45 IC20.50
SDRAM_A24: IC19.36 IC19.48 IC20.75
SDRAM_A25: IC19.35 IC19.47 IC20.49
SDRAM_A26: IC37.2 IC37.23 IC38.29
SDRAM_A27: IC37.4 IC37.24 IC38.30
SDRAM_A28: IC37.5 IC37.25 IC38.31
SDRAM_A29: IC37.7 IC37.26 IC38.32
SDRAM_A30: IC37.8 IC37.29 IC38.22
SDRAM_A31: IC37.10 IC37.30 IC38.23
SDRAM_A32: IC37.11 IC37.31 IC38.24
SDRAM_A33: IC37.13 IC37.32 IC38.25
SDRAM_A34: IC37.33 IC37.42 IC38.40
SDRAM_A35: IC37.34 IC37.44 IC38.41
SDRAM_A36: IC37.22 IC37.45 IC38.50
SDRAM_A37: IC37.36 IC37.48 IC38.75
SDRAM_A38: IC37.35 IC37.47 IC38.49
SDRAM_A39: IC55.2 IC55.23 IC56.29
SDRAM_A40: IC55.4 IC55.24 IC56.30
SDRAM_A41: IC55.5 IC55.25 IC56.31
SDRAM_A42: IC55.7 IC55.26 IC56.32
SDRAM_A43: IC55.8 IC55.29 IC56.22
SDRAM_A44: IC55.10 IC55.30 IC56.23
SDRAM_A45: IC55.11 IC55.31 IC56.24
SDRAM_A46: IC55.13 IC55.32 IC56.25
SDRAM_A47: IC55.33 IC55.42 IC56.40
SDRAM_A48: IC55.34 IC55.44 IC56.41
SDRAM_A49: IC55.22 IC55.45 IC56.50
SDRAM_A50: IC55.36 IC55.48 IC56.75
SDRAM_A51: IC55.35 IC55.47 IC56.49
SDRAM_A52: IC73.2 IC73.23 IC74.29
SDRAM_A53: IC73.4 IC73.24 IC74.30
SDRAM_A54: IC73.5 IC73.25 IC74.31
SDRAM_A55: IC73.7 IC73.26 IC74.32
SDRAM_A56: IC73.8 IC73.29 IC74.22
SDRAM_A57: IC73.10 IC73.30 IC74.23
SDRAM_A58: IC73.11 IC73.31 IC74.24
SDRAM_A59: IC73.13 IC73.32 IC74.25
SDRAM_A60: IC73.33 IC73.42 IC74.40
SDRAM_A61: IC73.34 IC73.44 IC74.41
SDRAM_A62: IC73.22 IC73.45 IC74.50
SDRAM_A63: IC73.36 IC73.48 IC74.75
SDRAM_A64: IC73.35 IC73.47 IC74.49
SDRAM_A65: IC91.2 IC91.23 IC92.29
SDRAM_A66: IC91.4 IC91.24 IC92.30
SDRAM_A67: IC91.5 IC91.25 IC92.31
SDRAM_A68: IC91.7 IC91.26 IC92.32
SDRAM_A69: IC91.8 IC91.29 IC92.22
SDRAM_A70: IC91.10 IC91.30 IC92.23
SDRAM_A71: IC91.11 IC91.31 IC92.24
SDRAM_A72: IC91.13 IC91.32 IC92.25
SDRAM_A73: IC91.33 IC91.42 IC92.40
SDRAM_A74: IC91.34 IC91.44 IC92.41
SDRAM_A75: IC91.22 IC91.45 IC92.50
SDRAM_A76: IC91.36 IC91.48 IC92.75
SDRAM_A77: IC91.35 IC91.47 IC92.49
SDRAM_BA0: IC1.76 IC2.20 IC2.50
SDRAM_BA1: IC1.77 IC2.21 IC2.51
SDRAM_BA2: IC19.21 IC19.51 IC20.77
SDRAM_BA3: IC19.20 IC19.50 IC20.76
SDRAM_BA4: IC37.21 IC37.51 IC38.77
SDRAM_BA5: IC37.20 IC37.50 IC38.76
SDRAM_BA6: IC55.21 IC55.51 IC56.77
SDRAM_BA7: IC55.20 IC55.50 IC56.76
SDRAM_BA8: IC73.21 IC73.51 IC74.77
SDRAM_BA9: IC73.20 IC73.50 IC74.76
SDRAM_BA10: IC91.21 IC91.51 IC92.77
SDRAM_BA11: IC91.20 IC91.50 IC92.76
SDRAM_CKE: IC1.104 IC2.37
SDRAM_CKE1: IC19.37 IC20.104
SDRAM_CKE2: IC37.37 IC38.104
SDRAM_CKE3: IC55.37 IC56.104
SDRAM_CKE4: IC73.37 IC74.104